# KiCad board MB1075.kicad_pcb (continued)
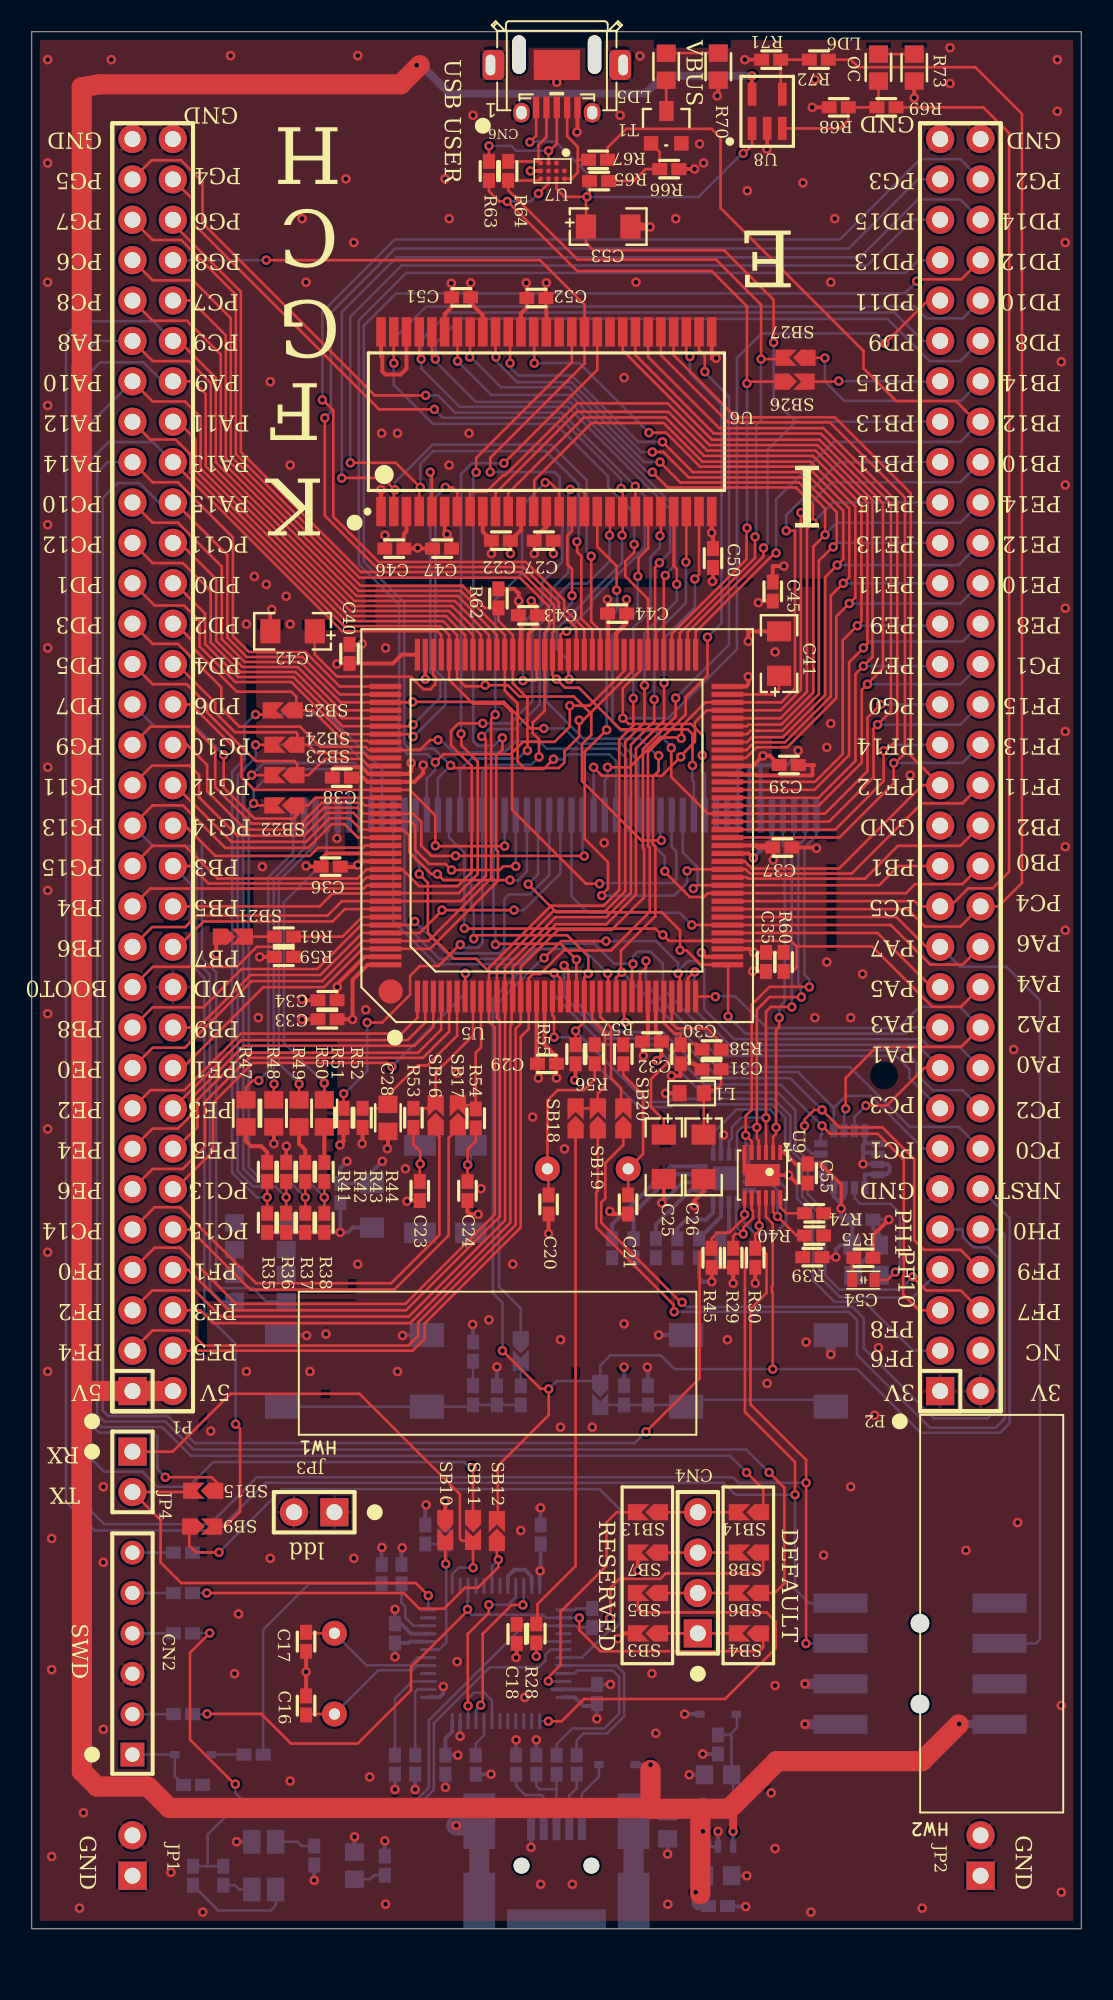
[diagram p0: board, top side]
## Routing (per net, layer and track width the routed paths; a pad name or vN(x,y) marks a point on that pad's centre or on a via; arc(x,y) is an arc through that point) (continued)
NetC26_1: length 12.1
  TOP w0.165: U5.33 40.25,56.93 40.55,56.63 42.48,56.63 43.35,55.76 R58.1 C31.2 43.35,53.09 43.02,52.76 42.26,52.76 L1.2 42.26,50 42.3,49.96 42.3,49.95 C26.1
NetC28_2: length 10.7
  TOP w0.165: 22.46,51.85 22.46,52.49 24.27,54.3 24.88,54.3 26.75,56.17 U5.6 ; 22.46,51.85 22.2,51.6 R52.1 ; 22.46,51.85 22.46,51.85 C28.2
NetC41_1: length 4.2
  TOP w0.165: U5.71 46.63,77.63 47,78 C41.1
NetC42_1: length 12
  TOP w0.165: U5.106 25.25,78.88 25.38,78.75 25.38,78.27 25.06,77.95 24.63,77.95 23.83,78.75 19.2,78.75 17.8,80.15 C42.1
NetC54_1: length 1.4
  TOP w0.21: C54.1 51.6,42.1 R75.2
NetCN1_2: length 3.2
  Bottom w0.165: CN1.2 33.8,8.38 34.27,8.85 R12.1
NetCN1_3: length 5.1
  Bottom w0.165: 33,8.78 31.94,8.78 31.73,8.98 R10.1 ; 33,8.78 CN1.3 ; 33,8.78 33,9.73 R11.1
NetCN1_4: length 4.3
  Bottom w0.165: R9.1 30.46,8.98 31.03,8.42 32.04,8.42 32.2,8.26 CN1.4
NetCN2_1: length 4.8
  Bottom w0.165: CN2.1 D1.1 9,9.6 R5.1
NetCN2_2: length 2.6
  Bottom w0.165: CN2.2 R14.1
NetCN2_4: length 2.6
  Bottom w0.165: CN2.4 R15.1
NetCN2_5: length 2.6
  Bottom w0.165: CN2.5 R17.1
NetCN2_6: length 2.6
  Bottom w0.165: CN2.6 R20.1
NetCN4_1: length 5.2
  TOP w0.165: 44.47,18.58 CN4.1 39.22,18.58
NetCN4_2: length 5.2
  TOP w0.165: 39.22,21.12 CN4.2 44.47,21.12
NetCN4_3: length 5.2
  TOP w0.165: 39.22,23.66 CN4.3 44.47,23.66
NetCN4_4: length 5.2
  TOP w0.165: 44.47,26.2 CN4.4 39.22,26.2
NetCN5_45: length 20.9
  TOP w0.165: v1(18.39,53.19) R50.2
  Bottom w0.165: CN5.45 18.54,67.25 15.86,64.56 15.86,55.72 18.38,53.19 v1(18.39,53.19) ; 18.65,70.87 18.65,70.04
NetCN5_46: length 20.2
  TOP w0.165: v1(16.81,53.13) R49.2
  Bottom w0.165: CN5.46 17.84,68.19 15.54,65.89 15.54,54.43 16.81,53.16 v1(16.81,53.13) ; 17.95,70.87 17.95,70.04
NetCN5_47: length 19.6
  TOP w0.165: R48.2 15.22,53.13 v1(15.24,53.13)
  Bottom w0.165: CN5.47 17.14,67.94 15.22,66.02 15.22,53.13 v1(15.24,53.13) ; 17.25,70.87 17.25,70.04
NetCN5_48: length 20.2
  TOP w0.165: v1(14.27,53.35) 13.9,53.35 13.47,52.92 R47.2
  Bottom w0.165: CN5.48 16.44,67.69 14.87,66.12 14.87,53.95 v1(14.27,53.35) ; 16.55,70.87 16.55,70.04
NetCN6_2: length 5.7
  TOP w0.165: 31.9,111.15 31.86,111.19 31.86,112.18 32.37,112.68 CN6.2 ; 31.9,111.15 U7.D1 ; 31.9,111.15 R64.2 ; 32.35,114.55 32.35,114.54
NetCN6_3: length 8.6
  TOP w0.165: 33,114.55 33,114.54 ; CN6.3 33.02,112.26 32.5,111.74 U7.C1 ; R63.2 28.75,112.12 v1(28.75,112.12)
  Bottom w0.165: v1(32.5,111.82) 30.47,111.82 30.17,112.12 v1(28.75,112.12)
NetCN6_4: length 6
  TOP w0.165: 34.34,111.25 34.34,110.46 33.93,110.05 U7.A3 ; 34.34,111.25 R67.2 ; 34.34,111.25 34.34,112.06 33.67,112.73 CN6.4 ; 33.65,114.55 33.65,114.54
NetD1_2: length 2.1
  Bottom w0.165: D1.2 R13.1
NetLD1_2: length 1.9
  Bottom w0.165: R2.2 12.78,2.74 13.05,2.48 LD1.2
NetLD1_3: length 7
  Bottom w0.165: LD1.3 15.33,1.46 15.03,1.16 11.72,1.16 R1.2
NetLD1_4: length 2.5
  Bottom w0.165: LD1.4 16.7,5.48 16.97,5.21 R3.1
NetLD2_1: length 2
  Bottom w0.165: LD2.1 21.28,3.13 21.53,3.38 R4.1
NetLD3_1: length 1.5
  Bottom w0.165: LD3.1 R26.2
NetLD4_1: length 1.5
  Bottom w0.165: LD4.1 R27.2
NetLD5_1: length 3.3
  TOP w0.165: LD5.1 39.9,117.96 R70.1
NetLD5_2: length 1.9
  TOP w0.165: LD5.2 39.9,114.32 T1.3
NetLD6_1: length 2.3
  TOP w0.165: 53.37,117.9 R73.1
  TOP w0.5: LD6.1 53.37,117.9
NetLD6_2: length 8.7
  TOP w0.165: U8.3 50.84,113.23 51.35,113.74 R68.1 R69.1 53.25,114.55 LD6.2
NetP2_51: length 8.6
  TOP w0.165: v1(50.75,97.33) 50.75,97.3 48.6,97.3
  Bottom w0.165: P2.51 57.13,97.3 54.61,97.3 54.58,97.33 v1(50.75,97.33)
NetP2_52: length 13.7
  TOP w0.165: 48.5,98.8 49.88,98.8 v1(49.88,98.78)
  Bottom w0.165: v1(49.88,98.78) 49.88,97.3 51.09,96.09 58.44,96.09 P2.52
NetR6_2: length 6.1
  Bottom w0.165: R6.2 22.84,14.49 23.91,15.56 U2.3
NetR7_2: length 4.9
  Bottom w0.165: R7.2 24.11,14.9 24.27,15.06 U2.2
NetR8_2: length 2.4
  Bottom w0.165: U2.44 28.44,12.17 27.92,11.65 R8.2
NetR23_1: length 1.6
  Bottom w0.165: 30.75,35.7 R23.1
NetR28_1: length 3.2
  TOP w0.165: R28.1 v1(31.73,17.14)
  Bottom w0.165: v1(31.73,17.14) 31.73,17.56 32.23,18.06 U2.29
NetR31_2: length 2.9
  Bottom w0.25: U4.7 43.35,44.79 R31.2
NetR32_1: length 4
  Bottom w0.25: R32.1 40.6,44.05 41.15,44.6 42.4,44.6 42.85,45.05 U4.8
NetR33_1: length 4.6
  Bottom w0.25: R33.1 39.25,44.29 41.42,46.45 U4.9
NetR34_1: length 6.9
  Bottom w0.25: R34.1 37.85,45 40.3,47.45 U4.11
NetR46_1: length 8
  Bottom w0.25: U4.12 40.16,47.95 36.5,44.29 R46.1
NetR61_1: length 2
  TOP w0.165: 13.28,62.4 R61.1
NetR65_1: length 5.4
  TOP w0.165: R65.1 37.85,109.92 38.6,110.67 R66.1 39.49,111.74 T1.1
NetR71_1: length 4.1
  TOP w0.165: R72.2 R71.1 47.1,115.38 U8.4
NetR74_2: length 2.3
  TOP w0.165: U9.12 47.07,45.38 47.45,45 R74.2
NRST: length 123.3
  TOP w0.165: v1(29.6,36.36) 32,33.96 32.5,33.96 ; U5.25 36.25,60.01 36.18,60.08 v1(36.22,60.08) ; 29.25,25.65 29.31,25.65 29.31,29.1 32.51,32.31 v1(32.51,33.95) ; U9.10 46.17,44.77 46.6,44.35 46.6,40.45 46.54,40.39 46.54,40.09 46.6,40.04 46.6,35.3 46.5,35.2 v1(46.6,35.2)
  Bottom w0.165: P2.12 61.5,44.69 61.5,31.8 60.9,31.2 55.9,31.2 51.9,35.2 v1(46.6,35.2) 40.42,35.2 39.56,36.06 36.38,36.06 35.75,35.43 35.75,34.45 ; 30.77,60.7 30.77,60.27 29,58.5 29,39.97 29.6,39.37 v1(29.6,36.36) ; 30.77,60.7 31.7,61.63 34.67,61.63 v1(36.22,60.08) ; 30.77,60.7 30.73,60.66 25.45,60.66 22.74,63.37 CN5.39 ; 35.75,34.45 35.75,34.05 ; 35.75,34.45 33.01,34.45 v1(32.51,33.95) ; 22.85,70.87 22.85,70.04
OSC_IN: length 9
  TOP w0.165: X1.2 17.25,13.51 C16.1
  Bottom w0.165: X1.2 21.79,16.26 23.94,16.26 24.23,16.56 U2.5
OSC_OUT: length 8.8
  TOP w0.165: X1.1 17.25,18.59 C17.1
  Bottom w0.165: X1.1 21.05,16.58 23.79,16.58 24.28,17.06 U2.6
PA0: length 61.2
  TOP w0.165: U5.34 40.75,60.08 v1(40.65,60.08) ; v1(36.12,62.11) 33.29,62.11 32.24,61.06 v1(32.22,61.06)
  Bottom w0.165: 30.75,36.8 30.75,39.01 29.39,40.38 29.39,58.3 32.14,61.06 v1(32.22,61.06) ; 40.65,60.24 41.27,60.86 41.79,60.86 42.29,60.36 42.29,57.83 44.18,55.95 55.95,55.95 56.4,55.5 58.31,55.5 P2.18 ; 40.65,60.24 v1(40.65,60.08) ; 40.65,60.24 40.65,60.72 39.26,62.11 v1(36.12,62.11)
PA1: length 28.6
  TOP w0.165: v1(52.45,51.77) 53.77,51.77 56.14,54.14 P2.17 ; v1(41.7,60.17) 41.65,60.17 41.25,59.77 U5.35
  Bottom w0.165: v1(52.45,51.77) 51.74,51.06 51.74,50.23 ; P2.17 55.67,55.6 43.88,55.6 41.66,57.82 41.66,60.17 v1(41.7,60.17)
PA2: length 33.3
  TOP w0.165: v1(42.99,58.62) 42.99,58.63 42.21,58.63 U5.36 ; v1(51.18,51.57) 51.18,53.51 53.14,55.46 58.45,55.46 P2.20
  Bottom w0.165: 51.09,50.23 51.09,51.63 51.18,51.73 v1(51.18,51.57) ; v1(42.99,58.62) 42.99,58.66 44.22,58.66 46.23,56.65 54.49,56.65 55.83,57.98 58.37,57.98 P2.20
PA4: length 45.6
  TOP w0.165: 48.09,61.78 47.74,62.13 40.07,62.13 v1(39.69,62.51) 39.62,62.51 39.22,62.9 27.22,62.9 v1(27.2,62.92) ; 48.09,61.78 52.85,61.78 56.65,57.98 58.43,57.98 P2.22 ; 48.09,61.78 48.1,61.77 48.1,60.48 47.83,60.21 R60.1
  Bottom w0.165: v1(27.2,62.92) 27.2,67.67 26.24,68.64 CN5.34 ; 26.35,70.87 26.35,70.04
PA5: length 14.8
  TOP w0.165: U5.41 53.18,62.63 56.59,59.22 P2.21
PA7: length 64.7
  TOP w0.165: U5.43 54.37,63.63 56.24,61.76 P2.23
  Bottom w0.165: P2.23 58.39,60.5 61.3,60.5 63.4,58.4 63.4,18.2 63.14,17.95 CN3.4
PA8: length 192.5
  TOP w0.165: 45.75,43.9 45.5,43.65 R30.1 45.85,42.8 46.21,42.44 46.21,39.99 45.2,38.98 45.2,32.99 48.7,29.49 v1(48.7,28.05) 48.7,17.96 v1(48.69,17.95) ; v1(45.75,44.22) 45.75,45.95 U9.9 ; U5.100 28.25,81.36 26.42,83.19 20.16,83.19 11.25,92.1 11.25,97.22 9.89,98.59 7.6,98.59 P1.53
  Bottom w0.165: v1(48.7,28.05) 44.45,28.05 44.1,28.4 14.15,28.4 11.2,25.45 4.55,25.45 2.55,27.45 2.55,98.3 4.11,99.86 P1.53 ; v1(45.75,44.22) 45.75,46.2 45.5,46.45 U4.4 ; v1(48.69,17.95) CN3.3
PA9: length 133.3
  TOP w0.165: 27.75,25.55 27.75,29 v1(27.7,29) ; U5.101 27.75,81.36 26.24,82.87 20.03,82.87 10.94,91.97 10.94,96.52 10.14,97.32 P1.52
  Bottom w0.165: P1.52 8.21,97.32 7.02,98.51 4.31,98.51 2.9,97.1 2.9,30.4 4.55,28.75 6.95,28.75 7.9,27.8 9.86,27.8 11.41,29.35 27.2,29.35 27.55,29 v1(27.7,29)
PA10: length 109.3
  TOP w0.165: 11.25,27.55 11.25,27.45 11.76,27.95 11.31,28.4 v1(8.4,28.4) ; P1.51 7.6,96.05 9.63,96.05 10.62,95.06 10.62,91.84 19.9,82.56 26.06,82.56 27.25,81.36 U5.102
  Bottom w0.165: P1.51 3.25,94.24 3.25,32.2 4.25,31.2 7.65,31.2 7.9,30.95 7.9,28.9 v1(8.4,28.4)
PA11: length 50.2
  TOP w0.165: v1(39.6,68.45) 38.33,68.45 34.6,72.18 34.6,74.5 35.18,75.08 35.18,76.4 34.08,77.5 30.66,77.5 29.94,78.21 v1(28.52,78.21) 28.45,78.14 27.26,78.14 26.75,78.65 U5.103 26.75,81.36 25.87,82.24 19.78,82.24 10.31,91.71 10.31,93.67 9.2,94.78 P1.50
  Bottom w0.165: v1(39.6,68.45) 39.54,68.51 CN5.15 ; 39.65,70.87 39.65,70.04
PA12: length 57.3
  TOP w0.165: v1(35.71,65.73) 34.85,65.73 30.21,70.37 30.21,76.5 29.67,77.04 27.75,77.04 26.25,78.54 26.25,81.36 25.69,81.92 19.65,81.92 9.99,91.58 9.99,92.7 9.04,93.66 7.45,93.66 P1.49
  Bottom w0.165: CN5.14 40.24,68.04 40.53,67.75 40.53,66 40.3,65.77 35.71,65.77 v1(35.71,65.73) ; 40.35,70.87 40.35,70.04
PA13: length 134.8
  TOP w0.165: 45.57,26.2 46,26.64 46,27.65 v1(44.95,28.7) ; P1.48 8.88,92.24 19.52,81.6 25.51,81.6 25.75,81.36 U5.105
  Bottom w0.165: v1(44.95,28.7) 43.9,29.75 10,29.75 8.2,31.55 4.4,31.55 3.64,32.31 3.64,92.31 4.83,93.5 7.61,93.5 P1.48
PA14: length 140.3
  TOP w0.165: P1.47 7.6,90.97 9.19,90.97 12.65,87.51 12.65,81.3 13.65,80.3 17.2,80.3 19.37,78.13 U5.109 ; 45.57,21.12 46.72,21.12 47.33,21.73 47.33,27.74 v1(46.37,28.7)
  Bottom w0.165: P1.47 4.78,92.24 4.11,91.57 4.11,32.34 4.55,31.9 8.4,31.9 10.15,30.15 44.92,30.15 v1(46.37,28.7)
PA15: length 146
  TOP w0.165: U5.110 19.37,77.63 17.02,79.98 13.52,79.98 12.3,81.2 12.3,86.4 9,89.7 P1.46 ; U9.7 44.82,44.73 43.87,43.78 43.12,43.78 42.76,43.41 R45.1 42.29,42.8 42,42.51 42,34.62 v1(38.63,31.25)
  Bottom w0.165: v1(38.63,31.25) 37.93,30.55 10.25,30.55 8.55,32.25 4.8,32.25 4.46,32.59 4.46,89.98 5.4,90.92 6.77,90.92 7.99,89.7 P1.46 ; U4.2 46.55,47.45 47.43,46.57 47.43,44.42 46.7,43.69 45.53,43.69 44.83,44.39 v1(44.83,44.93)
PB0: length 26.1
  TOP w0.165: P2.28 58.53,65.7 55.55,65.7 54.98,65.13 42.52,65.13 42.28,64.89 41.39,64.89 39.81,66.47 v1(39.81,66.51)
  Bottom w0.165: v1(39.81,66.51) 39.81,67.43 38.84,68.4 CN5.16 ; 38.95,70.87 38.95,70.04
PB1: length 22.1
  TOP w0.165: v1(41.61,65.42) 41.61,65.42 41.82,65.63 53.29,65.63 54.5,66.84 P2.27
  Bottom w0.165: 41.05,70.87 41.05,70.04 ; CN5.13 40.94,67.69 41.88,66.76 41.88,65.69 41.61,65.42 v1(41.61,65.42)
PB2: length 17.3
  TOP w0.165: U5.48 44.96,66.13 45.04,66.05 52.41,66.05 54.47,68.11 58.4,68.11 P2.30
PB3: length 58.5
  TOP w0.165: U5.133 21.07,66.13 20.67,65.74 11.12,65.74 10.01,66.84 P1.28 ; v1(12.82,31.74) 13.1,31.45 13.1,26.25 12.15,25.3 11.35,25.3
  Bottom w0.165: P1.28 10.01,65.7 10.01,60.64 10.85,59.8 10.85,38.75 12.82,36.78 v1(12.82,31.74)
PB4: length 16.5
  TOP w0.165: U5.134 21.08,65.63 20.87,65.42 7.45,65.42 P1.25
PB5: length 59.3
  TOP w0.165: P1.26 18.1,64.3 18.91,65.11 21.03,65.11 21.05,65.13 U5.135 26.85,65.13 28.05,66.33 28.05,73.4 27.02,74.43 27.02,75.15 v1(27,75.15) ; U6.37 35.57,98.04 v1(29.69,92.17)
  Bottom w0.165: v1(29.69,92.17) 27.68,92.17 27,91.49 v1(27,75.15)
PB6: length 52.2
  TOP w0.165: v1(28.3,74.99) 28.36,74.99 28.55,74.79 28.55,66.21 26.98,64.63 U5.136 19.51,64.63 18.6,63.72 10.37,63.72 9.65,63 7.57,63 P1.23 ; U6.19 36.36,87.6 36.33,87.57 v1(36.33,87.64)
  Bottom w0.165: v1(28.3,74.99) 28.3,74.99 28.76,75.45 30.39,75.45 31.94,77 31.94,82.03 33.08,83.18 33.08,83.86 33.83,84.6 34.94,84.6 36.33,86 v1(36.33,87.64)
PB7: length 14.4
  TOP w0.165: P1.24 9.21,61.76 10.8,63.35 18.91,63.35 19.69,64.13 U5.137
PB12: length 62.5
  TOP w0.165: v1(46.81,86.53) 46.73,86.53 41.75,81.55 U5.73 ; R67.1 36.21,112.02 37.39,113.2 42.74,113.2 43.32,112.63 43.32,108.22 52.31,99.23 52.31,98.14 54.37,96.08 58.11,96.08 59.54,94.65 P2.50
  Bottom w0.165: v1(46.81,86.53) 46.81,89.9 50.42,93.51 58.4,93.51 P2.50
PB13: length 76.2
  TOP w0.165: 34.91,108.93 v1(34.92,108.92) 35.08,108.92 R65.2 ; 34.91,108.93 34.85,108.98 C53.1 34.85,106.03 35.32,105.56 43.54,105.56 46.66,102.44 v1(46.66,99.76) ; 34.91,108.93 33.49,108.93 33,109.41 U7.B3 ; v1(44.75,111.66) 44.8,111.66 45.3,112.16 U8.1 ; v1(46.02,86.84) 46.02,86.3 41.25,81.54 U5.74 ; v1(31.32,112.36) 31.72,112.76 CN6.1 ; 31.7,114.55 31.7,114.54
  Bottom w0.165: 48.05,94.78 P2.49 ; 48.05,94.78 48.03,94.78 46.66,96.16 v1(46.66,99.76) ; 48.05,94.78 46.28,93.01 46.28,87.1 v1(46.02,86.84) ; v1(31.32,112.36) 31.33,112.37 31.3,112.4 32.94,112.4 34.92,110.42 v1(34.92,108.92) 41.94,108.92 44.68,111.66 v1(44.75,111.66)
PB14: length 47.3
  TOP w0.165: 47.4,98.8 47.32,98.72 v1(45.87,98.72) 45.87,102.13 43.03,104.97 34.33,104.97 29.96,109.34 R64.1 31.9,109.95 U7.D3 ; v1(45.49,87.54) 45.48,87.54 45.48,86.22 40.75,81.48 U5.75
  Bottom w0.165: v1(45.49,87.54) 45.5,87.54 45.56,87.6 45.56,94.56 45.86,94.86 45.86,98.72 v1(45.87,98.72)
PB15: length 49.9
  TOP w0.165: 44.97,97.3 44.97,102.05 42.76,104.26 34.29,104.26 29.92,108.63 v1(29.9,108.63) 29.4,108.63 28.75,109.28 R63.1 ; 44.97,97.3 47.5,97.3 ; 44.97,97.3 v1(44.97,97.18) ; U5.76 40.25,81.43 44.95,86.13 44.95,88.19 44.98,88.22 v1(44.98,88.09) ; U7.C3 32.5,109.77 v1(31.86,109.13)
  Bottom w0.165: v1(31.86,109.13) 31.37,108.63 v1(29.9,108.63) ; v1(44.97,97.18) 44.98,97.18 v1(44.98,88.09)
PC0: length 65
  TOP w0.165: U6.16 33.98,89.13 33.98,87.91 33.67,87.61 33.67,85.82 33.98,85.52 v1(33.98,83.85) ; v1(39.42,73.78) 39.42,72.81 39.07,72.45 39.07,68.23 39.22,68.08 39.22,63.69 37.05,61.52 37.05,60.11 ; 37.05,60.11 36.75,59.81 U5.26 ; 37.05,60.11 37.1,60.16 v1(37.1,60.16)
  Bottom w0.165: P2.14 58.3,50.43 55.22,50.43 51.45,54.2 43.1,54.2 37.14,60.16 v1(37.1,60.16) ; v1(33.98,83.85) 33.98,83.41 32.36,81.8 32.36,77.18 34.7,74.84 36.18,74.84 36.18,74.84 38.28,74.84 39.34,73.78 v1(39.42,73.78)
PC1: length 26.8
  TOP w0.165: v1(37.33,57.01) 37.25,57.01 U5.27
  Bottom w0.165: P2.13 56.07,49.06 52.75,52.38 51.19,52.38 50.44,51.63 ; v1(37.33,57.01) 39.7,57.01 42.82,53.88 48.19,53.88 50.44,51.63 ; 50.44,51.63 50.44,50.23
PC2: length 53.8
  TOP w0.165: v1(37.81,60.68) 37.75,60.62 U5.28
  Bottom w0.165: 37.81,60.7 36.63,60.7 35.38,61.95 31.3,61.95 30.35,61 25.64,61 23.44,63.19 CN5.38 ; 37.81,60.7 37.81,61.17 38.11,61.46 38.92,61.46 39.69,60.69 39.69,59.11 43.55,55.25 54.85,55.25 55.65,54.45 55.65,53.76 56.67,52.73 58.54,52.73 P2.16 ; 37.81,60.7 v1(37.81,60.68) ; 23.55,70.87 23.55,70.04
PC3: length 25.9
  TOP w0.165: U5.29 38.25,60.07 38.63,60.45 v1(38.63,60.87)
  Bottom w0.165: P2.15 57.08,51.6 57.08,51.61 55.2,53.5 55.2,54.05 54.35,54.9 43.1,54.9 38.63,59.37 v1(38.63,60.87)
PC4: length 82.1
  TOP w0.165: R72.1 51.51,117.55 51.99,117.07 59.34,117.07 62.27,114.14 62.27,65.78 60.8,64.3 P2.26 58.4,63.03 56.18,63.03 55.08,64.13 U5.44
PC5: length 73
  TOP w0.165: U5.45 55.54,64.63 55.87,64.3 P2.25 57.19,64.36 57.82,64.36 58.89,65.43 60.43,65.43 61.47,66.48 61.47,112.93 59.84,114.55 R69.2
PC6: length 54.5
  TOP w0.165: v1(31.17,74.1) 31.17,77.39 30.25,78.32 30.25,81.36 29.35,82.26 R62.1 28.49,83.07 27.1,84.46 20.67,84.46 12.52,92.62 12.52,101.29 10.14,103.67 7.6,103.67 P1.57
  Bottom w0.165: v1(31.17,74.1) 31.1,74.1 30.6,73.6 27.65,73.6 26.94,72.89 CN5.33
PC8: length 36.8
  TOP w0.165: U5.98 29.25,81.36 26.79,83.82 20.42,83.82 11.89,92.36 11.89,99 9.76,101.13 7.6,101.13 P1.55
PC9: length 194
  TOP w0.165: v1(48,27.3) 48,29.36 44.85,32.51 44.85,42.53 44.58,42.8 R29.1 44.11,43.57 44.24,43.7 v1(44.75,43.7) 44.75,44.09 45.36,44.7 45.36,45.15 45.27,45.23 U9.8 ; P1.54 8.87,99.9 8.9,99.9 9.06,100.06 11.57,97.54 11.57,92.23 20.29,83.51 26.6,83.51 28.75,81.36 U5.99
  Bottom w0.165: CN3.1 48.89,20.49 48,21.37 v1(48,27.3) 44.25,27.3 43.5,28.05 14.7,28.05 11.7,25.05 3.95,25.05 2.15,26.85 2.15,100.2 3.05,101.1 7.63,101.1 P1.54 ; 44.29,45.64 U4.5 44.35,45.2 44.29,45.15 44.29,44.15 v1(44.75,43.7)
PC10: length 44.7
  TOP w0.165: P1.45 7.6,88.43 9.19,88.43 11.95,85.67 11.95,81.1 13.38,79.67 16.89,79.67 19.43,77.13 U5.111 23.95,77.13 v1(23.95,77.16) 29.7,77.16 31.37,75.49 v1(32.2,75.49)
  Bottom w0.165: CN5.17 38.14,73.45 37.06,74.53 36.31,74.53 36.31,74.53 34.46,74.53 33.49,75.49 v1(32.2,75.49)
PC11: length 20
  TOP w0.165: U5.112 19.45,76.63 16.72,79.35 13.25,79.35 11.6,81 11.6,84.87 9.31,87.16 P1.44
PC12: length 22.4
  TOP w0.165: P1.43 7.6,85.89 9.51,85.89 11.25,84.15 11.25,80.9 12.85,79.3 12.85,79.3 13.11,79.04 16.59,79.04 19.5,76.13 U5.113
PC13: length 28.2
  TOP w0.165: U5.7 27.25,60.09 v1(27.27,60.09) ; v1(22.65,54.23) 22.41,54.46 13.91,54.46 11.4,51.95 11.4,48.9 9.02,46.52 P1.12
  Bottom w0.165: v1(22.65,54.23) 27.27,58.85 v1(27.27,60.09)
PC14: length 30.3
  TOP w0.165: 25.4,50.7 25.4,50.03 25.63,49.8 25.63,43.63 22.6,40.6 14.1,40.6 9.32,45.38 7.73,45.38 P1.9
PC14-OSC32_IN: length 9.4
  TOP w0.165: U5.8 27.75,56.18 25.4,53.83 25.4,51.6 R53.1
PC15: length 27.7
  TOP w0.165: 26.8,50.7 26.8,50.32 26.22,49.74 26.22,43.62 22.8,40.2 13.74,40.2 9.96,43.98 8.9,43.98 8.9,43.95 P1.10
PC15-OSC32_OUT: length 8.6
  TOP w0.165: 26.8,51.8 28,51.8 R54.1 27.92,55.1 28.25,55.43 U5.9
PD2: length 17.8
  TOP w0.165: 16.65,76.63 SB25.1 16.64,77.48 16.32,77.8 12.9,77.8 10.15,80.55 10.15,80.95 9.02,82.08 P1.40 ; 16.65,76.63 17.66,76.63 19.58,74.71 21.1,74.71 21.19,74.63 U5.116 ; 16.65,76.63 16.65,76.37 16.36,76.37
PD4: length 16.9
  TOP w0.165: 16.7,74.46 16.7,75.15 16.6,75.25 12.78,75.25 11.54,76.49 11.54,77.11 9.11,79.54 P1.38 ; 16.7,74.46 16.36,74.46 ; 16.7,74.46 17.38,74.46 17.89,73.95 20.87,73.95 21.19,73.63 U5.118
PD5: length 20.5
  TOP w0.165: U5.119 21.19,73.13 20.75,73.57 18.42,73.57 17.41,72.56 16.7,72.56 ; 16.7,72.56 16.7,73.25 16.51,73.44 14.08,73.44 11.03,76.49 11.03,77 9.76,78.27 7.6,78.27 P1.37 ; 16.7,72.56 16.36,72.56
PD7: length 21.9
  TOP w0.165: 16.6,69.95 16.47,69.82 14.02,69.82 12.07,71.77 v1(12.07,73.83) ; 16.6,69.95 16.74,70.09 SB22.1 17.38,70.65 17.86,71.13 U5.123 ; 16.6,69.95 16.6,70.65 16.36,70.65
  Bottom w0.165: P1.35 7.73,75.6 10.29,75.6 v1(12.07,73.83)
PD11: length 57.1
  TOP w0.165: P2.55 56.35,102.4 v1(53.66,99.7) ; v1(42.17,73.8) 42.17,75.07 41.47,75.77 37.53,75.77 v1(37.17,76.14) 37.17,78.02 38.25,79.1 U5.80
  Bottom w0.165: v1(53.66,99.7) 53.03,100.33 45.9,100.33 44.35,98.78 44.35,80.46 40.02,76.14 v1(37.17,76.14) ; v1(42.17,73.8) 42.19,73.78 42.19,72.77 42.34,72.62 CN5.11
PD12: length 90.9
  TOP w0.165: v1(26.34,73.17) 26.5,73 33.15,73 33.5,73.35 33.5,74.05 34.42,74.97 v1(34.42,76) 34.67,76 37.75,79.08 U5.81 ; P2.58 58.46,103.73 55.77,103.73 v1(55.65,103.62)
  Bottom w0.165: CN5.35 25.54,72.37 v1(26.34,73.17) 25.28,74.22 24.78,74.22 24.75,74.18 23.76,74.18 23.42,74.53 23.42,83.42 20.88,85.96 20.88,100.82 22.91,102.85 54.9,102.85 55.65,103.6 v1(55.65,103.62)
PD13: length 88.2
  TOP w0.165: v1(25.38,73.37) 25.88,73.87 30.12,73.87 30.9,74.65 32.88,74.65 33.83,75.6 v1(33.83,76.92) 35.07,76.92 37.25,79.1 U5.82
  Bottom w0.165: CN5.36 24.84,72.34 25.38,72.88 v1(25.38,73.37) 24.88,73.87 23.63,73.87 23.1,74.4 23.1,83.29 20.57,85.82 20.57,101.15 23.55,104.13 54.94,104.13 55.74,104.94 P2.57
PE0: length 56.2
  TOP w0.165: v1(32.29,90.95) 32.6,90.95 33.17,90.39 U6.15 ; P1.17 7.6,55.41 9.63,55.41 13.82,59.6 18.27,59.6 20.8,62.13 U5.141 24.95,62.13 28.94,66.12 28.89,66.16 28.89,76.11 v1(29.15,76.36)
  Bottom w0.165: v1(29.15,76.36) 29.15,83.59 30.84,85.28 30.84,89.5 v1(32.29,90.95)
PE1: length 65
  TOP w0.165: P1.18 9.48,54.14 14.56,59.22 18.39,59.22 20.8,61.63 U5.142 25.04,61.63 29.32,65.9 29.32,67.76 29.21,67.87 29.21,73.77 29.6,74.16 v1(29.6,74.9) ; U6.39 33.97,98.52 27.95,92.5 v1(27.95,91.6)
  Bottom w0.165: v1(27.95,91.6) 27.76,91.42 27.76,74.69 28.05,74.4 29.05,74.4 29.55,74.9 v1(29.6,74.9)
PE2: length 21.6
  TOP w0.165: P1.15 7.47,52.74 9.59,52.74 13.14,56.3 23.25,56.3 24.25,57.3 U5.1
PE3: length 19.7
  TOP w0.165: P1.16 8.89,51.6 13.18,55.89 23.63,55.89 24.75,57 U5.2
PE4: length 24.6
  TOP w0.165: U5.3 25.25,56.71 24.08,55.54 13.34,55.54 10.03,52.23 10.03,51.18 9.19,50.33 7.6,50.33 P1.13
PE5: length 23.1
  TOP w0.165: U5.4 25.75,56.55 24.29,55.09 13.38,55.09 10.41,52.12 10.41,50.41 9.06,49.06 P1.14
PE6: length 27.9
  TOP w0.165: U5.5 26.25,56.43 24.6,54.78 13.66,54.78 10.9,52.02 10.9,49.2 9.49,47.79 7.6,47.79 P1.11
PF6: length 40.1
  TOP w0.165: v1(32.85,56.07) 32.85,57.34 32.75,57.44 U5.18
  Bottom w0.165: P2.3 55.44,36.36 52.37,39.43 50.48,39.43 49.13,40.79 49.13,44.93 48.13,45.92 48.13,48.13 47.39,48.87 47.39,51.01 46.55,51.85 40.37,51.85 40.21,51.69 38.16,51.69 33.77,56.07 v1(32.85,56.07)
PF7: length 62.1
  TOP w0.165: v1(24.36,66.33) 24.91,65.79 24.91,62.64 26.54,61.01 27.94,61.01 28.83,60.12 v1(32.85,60.12) 32.85,60.15 33.25,59.75 U5.19 ; v1(55.4,41) 56.25,40.15 58.42,40.15 P2.6
  Bottom w0.165: 49.06,48.1 48.8,47.84 48.8,46.2 49.9,45.1 49.9,41.1 50.8,40.2 54.6,40.2 v1(55.4,41) ; 49.06,48.1 48.02,49.13 48.02,51.48 46.9,52.6 42.1,52.6 39.09,55.61 35.94,55.61 32.85,58.7 v1(32.85,60.12) ; 49.06,48.1 49.61,48.1 ; v1(24.36,66.33) 24.36,66.99 24.14,67.21 CN5.37 ; 24.25,70.87 24.25,70.04
PF8: length 42
  TOP w0.165: v1(49.7,50.5) 50.2,50 53.2,50 54.84,48.36 54.84,41.08 54.8,41.04 54.8,39.9 55.8,38.9 P2.5 ; U5.20 33.75,60.31 v1(33.48,60.58)
  Bottom w0.165: v1(33.48,60.58) 33.48,58.62 36.1,56 39.4,56 42.3,53.1 47.1,53.1 v1(49.7,50.5) 49.7,49.99 49.61,49.9 49.61,49.4
PF9: length 59.2
  TOP w0.165: U5.21 v1(34.25,60.95) 33.26,61.95 29.16,61.95 v1(29.16,61.9) ; P2.8 58.41,42.7 56.1,42.7 55.5,43.3 55.5,48.4 53.5,50.4 50.8,50.4 v1(49.7,51.5) 49.2,51.5 48.6,50.9 v1(48.6,50.5)
  Bottom w0.165: 29.15,70.87 29.16,70.87 29.16,70.04 ; v1(48.6,50.5) 48.6,49.2 49.05,48.75 49.61,48.75 ; v1(29.16,61.9) 29.16,62.91 29.04,63.03 CN5.30 ; v1(34.25,60.95) 34.25,58.3 36.15,56.4 39.69,56.4 42.59,53.5 47.7,53.5 v1(49.7,51.5)
PF10: length 58.7
  TOP w0.165: v1(27.79,62.27) 28.01,62.49 33.67,62.49 35,61.16 v1(35,60.08) 34.75,59.83 U5.22 34.75,57.03 34.2,56.48 v1(34.2,56.47) R55.1
  Bottom w0.165: 35.3,55.37 v1(34.2,56.47) 38.66,52.01 40.08,52.01 40.27,52.2 46.65,52.2 47.71,51.14 47.71,49 48.45,48.26 48.45,46.05 49.5,45 49.5,41.06 50.81,39.75 52.5,39.75 52.55,39.7 55.39,39.7 P2.7 ; CN5.32 27.64,64.36 27.79,64.21 v1(27.79,62.27)
PF11: length 54
  TOP w0.165: v1(35.84,64.98) 35.84,65.02 36.24,65.42 36.24,67.09 34.77,68.55 34.77,74.02 v1(36.15,75.4) ; v1(41.21,66.53) 41.21,66.63 U5.49 44.9,66.63 45.17,66.36 51.57,66.36 55.98,70.78 58.53,70.78 P2.32 ; v1(36.78,84.18) 36.78,85.7 35.57,86.92 U6.18
  Bottom w0.165: v1(36.15,75.4) 36.15,82.25 36.81,82.9 36.81,84 36.98,84.18 v1(36.78,84.18) ; v1(35.84,64.98) 40.41,64.98 41.21,65.78 v1(41.21,66.53)
PG2: length 79.7
  TOP w0.165: v1(18.28,96.15) 18.3,96.15 18.96,95.49 18.96,88.81 21.81,85.95 31.08,85.95 33.48,83.56 33.48,83.03 34.75,81.76 U5.87
  Bottom w0.165: P2.62 58.4,111.29 55.87,111.29 50.82,106.24 22.83,106.24 18.28,101.69 v1(18.28,96.15)
PG3: length 75.4
  TOP w0.165: U5.88 34.25,81.81 33.16,82.9 33.16,83.41 30.93,85.64 21.66,85.64 18.43,88.87 v1(18.43,95.02)
  Bottom w0.165: v1(18.43,95.02) 18.81,95.4 18.81,101.63 22.85,105.67 51.37,105.67 55.72,110.02 P2.61
PG4: length 53.2
  TOP w0.165: P1.62 10.09,108.8 10.09,107.31 21.84,95.56 v1(25.32,95.56) ; v1(37.06,90.59) 37.17,90.59 U6.20 37.17,87.64 v1(37.13,87.64) ; v1(33.79,78.59) 33.75,78.59 U5.89
  Bottom w0.165: v1(37.06,90.59) 37.06,91.16 33.19,95.03 25.84,95.03 v1(25.32,95.56) ; v1(37.13,87.64) 37.13,85.91 34.91,83.69 34.91,83.63 33.01,81.73 33.01,80.5 33.79,79.72 v1(33.79,78.59)
PG5: length 56.9
  TOP w0.165: U6.21 37.97,90.72 v1(37.95,90.72) ; v1(24.77,96.43) 21.57,96.43 10.74,107.26 10.74,109.86 9.38,111.22 7.53,111.22 P1.61 ; U5.90 33.25,81.38 33.48,81.6 v1(33.64,81.6)
  Bottom w0.165: v1(24.77,96.43) 25.54,96.43 26.63,95.35 33.32,95.35 v1(37.95,90.72) 38.56,90.11 38.56,86.86 35.22,83.53 35.22,83.2 33.64,81.61 v1(33.64,81.6)
PG6: length 60
  TOP w0.165: P1.60 8.87,107.23 13.15,102.95 13.15,92.88 20.7,85.32 30.8,85.32 32.84,83.28 32.84,81.6 32.75,81.51 32.75,78.84 v1(33,78.59) 33.54,78.05 34.41,78.05 37.03,75.43 41.25,75.43 41.55,75.13 v1(41.55,73.16)
  Bottom w0.165: v1(41.55,73.16) 41.54,73.15 41.54,72.22 41.64,72.12 CN5.12
PG7: length 83.2
  TOP w0.165: v1(21.09,57) 22.05,57 23.79,58.74 23.79,59.94 24.41,60.55 25.57,60.55 26.92,61.9 v1(26.95,61.9) ; v1(19.62,52.52) 19.6,52.52 R51.1 ; P1.59 7.6,106.21 9.39,106.21 12.83,102.77 12.83,92.75 20.61,84.97 30.7,84.97 32.52,83.15 32.52,81.76 32.25,81.49 U5.92 32.25,76.6 31.5,75.85 31.5,75.2 31.9,74.8 v1(31.9,73.7)
  Bottom w0.165: v1(19.62,52.52) 19.67,52.52 21.09,53.94 v1(21.09,57) ; v1(31.9,73.7) 31.4,73.2 28.75,73.2 28.34,72.79 CN5.31 28.34,61.98 28.07,61.7 27.14,61.7 v1(26.95,61.9)
PG8: length 60.9
  TOP w0.165: U5.93 31.75,78.61 31.64,78.5 v1(30.89,78.5) ; v1(28.83,91.61) 28.83,92.5 34.77,98.44 U6.38 34.77,102.14 31.96,104.94 v1(14.74,104.94)
  Bottom w0.165: P1.58 v1(14.74,104.94) ; v1(30.89,78.5) 30.89,82.09 32.1,83.3 32.1,84.7 33.36,85.95 33.36,88.21 33.2,88.36 33.2,91.3 32.89,91.61 v1(28.83,91.61)
PG9: length 21
  TOP w0.165: U5.124 22.23,70.65 20.93,70.65 20.76,70.81 18.43,70.81 18.24,70.81 16.93,69.51 13.82,69.51 11.54,71.79 11.54,74.21 10.14,75.6 7.47,75.6 P1.33
PG13: length 52.9
  TOP w0.165: P1.29 7.6,70.65 9.51,70.65 12.17,67.98 17.38,67.98 18.87,69.47 19.67,69.47 20.51,68.63 U5.128
  Bottom w0.165: R26.1 11.95,39.45 11.2,40.2 11.2,60 10.35,60.85 10.35,67.65 9.9,68.1 7.61,68.1 P1.29
PG14: length 49.7
  TOP w0.165: P1.30 9.63,69.38 11.54,67.48 17.49,67.48 18,67.99 20.84,67.99 20.98,68.13 U5.129
  Bottom w0.165: R27.1 14.75,39.45 13.9,40.3 11.85,40.3 11.6,40.55 11.6,60.15 10.7,61.05 10.7,68.3 9.62,69.38 P1.30
PG15: length 55.5
  TOP w0.165: P1.27 7.6,68.11 9.63,68.11 11.69,66.05 20.48,66.05 21.05,66.63 U5.132 23.3,66.63 24.36,65.57 26.78,65.57 27.67,66.46 27.67,73.13 26.36,74.43 26.36,75.33 26.84,75.81 v1(28.36,75.81) ; U6.17 34.77,90.29 34.53,90.53 v1(33.87,90.53)
  Bottom w0.165: v1(33.87,90.53) 33.75,90.4 33.75,85.3 32.64,84.2 32.64,83.27 31.47,82.1 31.47,77.2 30.08,75.81 v1(28.36,75.81)
PH0: length 52.4
  TOP w0.165: v1(40.4,38.8) 40.37,38.83 40.37,39.24 35.5,44.11 35.5,46.3 35.6,46.4 SB19.1 ; 35.49,50.11 35.49,50.5 35.6,50.5
  Bottom w0.165: P2.10 60.86,43.98 61.18,43.66 61.18,32.08 60.62,31.52 56.48,31.52 51.9,36.1 51.9,38.27 51.37,38.8 v1(40.4,38.8)
PH0-OSC_IN: length 9.6
  TOP w0.165: 36.05,55.6 36.05,53 35.6,52.55 35.6,51.6 34.2,51.6 ; 36.05,55.6 R56.1 ; 36.05,55.6 36.05,56.33 35.25,57.13 U5.23
PH1: length 52.3
  TOP w0.165: 37.2,50.5 37.27,50.5 37.27,50.11 ; v1(40.9,39.4) 40.82,39.4 35.81,44.41 35.81,45.68 36.07,45.94 36.07,48.17 37.2,49.3 SB20.1
  Bottom w0.165: v1(40.9,39.4) 41.18,39.12 51.61,39.12 52.32,38.4 52.32,36.52 56.74,32.1 60.1,32.1 60.79,32.79 60.79,42.2 60.13,42.86 59.21,42.86 58.55,43.52 58.55,43.94 58.5,43.98 P2.9
PH1-OSC_OUT: length 8.4
  TOP w0.165: 36.43,55.6 R57.1 ; 36.43,55.6 36.43,53.51 37.06,52.87 37.06,51.74 37.2,51.6 ; 36.43,55.6 36.43,56.68 35.75,57.36 U5.24
STLINK_RX: length 32.4
  TOP w0.165: JP4.1 8.86,30.01 12.5,33.65 20.61,33.65 26.93,27.33 26.93,24.53 27.05,24.41 27.75,24.41 ; v1(27.76,22.71) 27.75,22.71 27.75,24.41 ; 27.75,24.45 27.75,24.41
  Bottom w0.165: v1(27.76,22.71) 26.85,22.71 26.44,22.3 U2.13
STLINK_TX: length 27.6
  TOP w0.165: v1(24.94,20.96) 24.15,21.74 9.4,21.74 8.1,23.04 8.1,25.7 JP4.2 10.07,27.47 10.15,27.55
  Bottom w0.165: U2.12 24.94,20.96 v1(24.94,20.96)
STM_JTCK: length 28.5
  TOP w0.165: 38.11,21.12 38.11,20.06 38.28,19.9 46.21,19.9 46.78,19.33 46.78,17.63 43.6,14.45 34.72,14.45 33.32,13.05 v1(32.49,13.05)
  Bottom w0.165: v1(32.49,13.05) 32.49,13.06 U2.37
STM_JTMS: length 14.7
  TOP w0.165: v1(32.49,15.58) 32.49,15.83 33.25,16.59 33.25,19.94 36.14,22.83 36.14,25.56 36.79,26.2 38.11,26.2
  Bottom w0.165: U2.34 32.67,15.56 32.49,15.56 v1(32.49,15.58)
STM_RST: length 13.1
  TOP w0.165: 26,24.45 26,22.95 v1(26.03,22.95)
  Bottom w0.165: U2.7 25.62,17.56 26.06,18.01 26.06,24.28 26.02,24.33 26.03,24.33 v1(26.03,22.95) 26,22.98 C9.2 R21.1
SWIM: length 10.7
  TOP w0.165: v1(28.23,14.06) 28.36,14.06 28.36,18.55 30.18,20.37 v1(30.88,20.37)
  Bottom w0.165: U2.22 30.94,20.43 v1(30.88,20.37) ; U2.45 27.94,13.77 28.37,14.2 28.37,14.06 v1(28.23,14.06)
SWIM_IN: length 14.1
  TOP w0.165: v1(28.75,20.38) 28.75,19.87 27.42,18.55 27.42,14.02 v1(27.44,14.02)
  Bottom w0.165: 27.44,14.02 U2.46 ; 27.44,14.02 v1(27.44,14.02) ; 27.44,14.02 27.44,14.49 27.8,14.85 28.46,14.85 28.94,14.37 U2.43 ; U2.21 30.44,20.87 29.94,20.38 v1(28.75,20.38)
T_JTCK: length 45.5
  TOP w0.165: v1(11.02,13.52) 14.43,13.52 16.3,11.65 20.5,11.65 23.85,15 23.85,16.45 27.41,20.01 v1(27.41,20.09) ; v1(34.44,19.55) 34.44,18.78 35.76,17.46 45.76,17.46 46,17.7 46,18.15 45.57,18.58
  Bottom w0.165: R14.2 11.02,13.5 v1(11.02,13.52) ; U2.15 27.44,20.63 27.41,20.6 v1(27.41,20.09) 27.3,20.09 27.33,20.06 27.34,20.06 27.64,19.75 32.14,19.75 32.33,19.56 U2.26 34.44,19.56 v1(34.44,19.55)
T_JTMS: length 57.4
  TOP w0.165: v1(11.19,18.6) 9.95,17.36 9.95,11.9 12.75,9.1 v1(12.8,9.1) ; v1(36.34,19.54) 36.34,19.47 36.4,19.52 36.4,21.46 36.95,22.01 39.53,22.01 39.87,22.35 45.8,22.35 46,22.55 46,23.23 45.57,23.66
  Bottom w0.165: v1(36.34,19.54) 35.75,18.95 R16.2 34.34,18.95 34.23,19.06 U2.27 30.92,19.06 24.97,13.11 24.97,8.87 24.11,8.01 13.34,8.01 12.8,8.55 v1(12.8,9.1) ; R15.2 10.11,18.6 v1(11.19,18.6)
T_NRST: length 24.4
  TOP w0.165: v1(11.01,21.12) 23.39,21.12 24.37,20.14 25.94,20.14 27.25,21.45 28.05,21.45 29.34,22.74 v1(29.34,23.22) 29.34,23.41 29.25,23.5 29.25,24.55
  Bottom w0.165: v1(29.34,23.22) 29.36,23.22 28.94,22.8 U2.18 ; R17.2 v1(11.01,21.12)
T_SWDIO_IN: length 1.8
  Bottom w0.165: R16.1 34.24,20.15 34.15,20.06 U2.25
T_SWO: length 44.1
  TOP w0.165: v1(11.77,23.68) 10.32,23.68 9.9,24.1 9.9,24.95 10.25,25.3
  Bottom w0.165: U2.31 34.6,17.06 36.32,18.77 36.56,18.77 37.01,19.22 37.01,26.35 35.71,27.65 15.75,27.65 v1(11.77,23.68) 10.12,23.68 R20.2
U5V: length 4
  Bottom w0.165: D2.1 35.67,9.57 34.6,8.5 CN1.1
USB_DM: length 11.3
  Bottom w0.165: R12.2 34.27,11.86 34.7,12.29 36.18,12.29 37.26,13.37 37.26,16.07 36.77,16.56 U2.32
USB_DP: length 11.5
  Bottom w0.165: U2.33 34.13,16.06 34.31,16.24 36.53,16.24 36.94,15.83 36.94,13.53 36.01,12.6 33.99,12.6 33,11.61 R11.2
XL: length 27.5
  TOP w0.165: U9.4 45.72,49.58 45.6,49.7 45.6,57.8 46.4,58.6 v1(48.4,58.6)
  Bottom w0.165: U4.16 44.35,50.1 44.68,50.43 45.57,50.43 v1(45.6,50.4) ; v1(48.4,58.6) 48.37,58.63 48.37,59.27 48.2,59.44 48.2,68.14 48.64,68.57 CN5.2 ; 48.75,70.87 48.75,70.04
XR: length 29.2
  TOP w0.165: v1(47.01,57.3) 47.01,56.72 46.81,56.53 v1(46.81,50.4) 46.81,50 46.62,49.81 U9.2
  Bottom w0.165: v1(46.81,50.4) 46.81,51.12 46.4,51.53 44.33,51.53 42.85,50.05 U4.13 ; v1(47.01,57.3) 47.01,57.96 47.35,58.3 47.35,68.02 47.24,68.13 CN5.4 ; 47.35,70.87 47.35,70.04
YD: length 27.8
  TOP w0.165: v1(48.9,59.23) 48.89,59.24 46.4,59.24 45.28,58.12 45.28,51.5 44.9,51.13 v1(44.9,49.9) 45.27,49.53 U9.5
  Bottom w0.165: CN5.1 49.34,68.74 48.6,68 48.6,60 48.9,59.7 v1(48.9,59.23) ; U4.1 45.1,49.21 44.9,49.41 v1(44.9,49.9) ; 49.45,70.87 49.45,70.04
YU: length 27.7
  TOP w0.165: U9.3 v1(46.17,51) 46.17,57.68 46.48,57.98 v1(47.8,57.98)
  Bottom w0.165: 48.05,70.87 48.05,70.04 ; U4.15 43.85,49.52 44.03,49.71 44.03,50.43 44.6,51 v1(46.17,51) ; v1(47.8,57.98) 47.8,68.18 47.94,68.32 CN5.3

## Copper pours and planes (outline as drawn; the poured copper is in the pictures)
3V on TOP: 10,0 66,0 66,118.3 0,118.3 0,0
GND on TOP: 0,119.3 66,119.3 66,0 0,0
GND on Bottom: 0,119.3 66,119.3 66,0 0,0
GND on Bottom: 0,119.3 66,119.3 66,0 0,0
VDD on TOP: 18.19,35.3 18.19,23.3 11,23.3 11,39.5 20.4,39.5 20.4,47.4 19.2,47.4 19.2,55.8 7.6,55.8 7.6,62.7 13.93,62.7 13.93,67.1 20.5,67.1 20.5,71.6 14.1,71.6 14.1,81.7 21.6,81.7 21.6,84.4 49.2,84.4 49.2,75.01 46.56,75.01 46.56,72.92 44.5,72.92 44.5,68.5 50,68.5 50,51.55 39.5,51.55 39.5,35.3

## Text on the board
Bottom: INNER LAYER 2 | TOP LAYER
CARTOUCHE F1: DRILL DRAWING
Bot Paste: PASTE MASK TOP LAYER
Bot Silk: SILKSCREEN TOP LAYER | CN6 | SWD | GND | PG13 | PG14 | USB ST-LINK | ST-LINK | DISCOVERY | BOOT0 | PG5 | PG7 | PC6 | PC8 | PA8 | PA10 | PA12 | PA14 | PC10 | PC12 | PD1 | PD3 | PD5 | PD7 | PG9 | PG11 | PG15 | PB4 | PB6 | PB8 | PE0 | PE2 | PE4 | PE6 | PC14 | PF0 | PF2 | PF4 | 5V | RX | TX | COM | ldd | PWR | USER | USB USER | RESET | PA2 | PG2 | PD14 | PD12 | PD10 | PD8 | PB14 | PB12 | PB10 | PE14 | PE12 | PE10 | PE8 | PG1 | PF15 | PF13 | PF11 | PB2 | PB0 | PC4 | PA6 | PA4 | PA0 | PC2 | PC0 | NRST | PH0 | PF9 | NC | 3V | PF7 | STM32F429I-DISC1 | MB1075E | www.st.com/stm32f4-discovery | J
User.Drawings: 660 Total | 2 | 140 | 6 | 4 | 500 | 1.20mm | 1.00mm | 0.90mm | 0.85mm | 0.70mm | 0.65mm | 0.60mm | 0.30mm | = Routed Path Length + Tool Size = Slot length as defined in the PCB layout | = Calculated from tool start centre position to tool end centre position. | NPTH | PTH | TOP - Bottom | Slot definitions : | Hole Length | Routed Path Length | 3 | 1 | Layer | Bot Silk | Bottom Solder | Bottom | Dielectric3 | L3 | Dielectric2 | L2 | Dielectric 1 | TOP | Top Solder | Top Silk | Name | Solder Resist | Copper | FR-4 | Material | 0.010mm | 0.012mm | 0.127mm | 0.035mm | 1.200mm | Thickness | Cu base | Symbol | Hit Count | Finished Hole Size | Plated | Drill Layer Pair
TOP: BOTTOM LAYER | INNER LAYER 3
PERCAGES: 30/04/2013 | DATE: | STM32F429-discovery | S.M.E.E. | MB1075E
Top Paste: PASTE MASK BOTTOM LAYER
Top Silk: SILKSCREEN BOTTOM LAYER | P1 | JP3 | CN4 | P2 | JP4 | CN2 | JP1 | OC | JP2 | VBUS | RX | TX | GND | PG5 | PG7 | PC6 | PC8 | PA8 | PA10 | PA12 | PA14 | PC10 | PC12 | PD1 | PD3 | PD5 | PD7 | PG9 | PG15 | PB4 | PB6 | PB8 | PE0 | PE2 | PE4 | PE6 | PC14 | PF0 | PF2 | PF4 | 5V | PG13 | PG11 | BOOT0 | PE3 | PF3 | PF5 | PF1 | PE5 | PE1 | PC9 | PB3 | PB5 | PC7 | PB9 | PB7 | PA9 | PD2 | PD6 | PD0 | PD4 | PG8 | PG6 | PG4 | VDD | PC13 | PC15 | PC11 | PA13 | PA15 | PA11 | PG12 | PG10 | PG14 | ldd | PF8 | PF6 | PG3 | PD15 | PD13 | PD11 | PD9 | PB15 | PB13 | PB11 | PE15 | PE13 | PE11 | PE9 | PE7 | PG0 | PF14 | PF12 | PB1 | PC5 | PA7 | PA5 | PA3 | PA1 | PC3 | PC1 | 3V | PG2 | PD14 | PD12 | PD10 | PD8 | PB14 | PB12 | PB10 | PE14 | PE12 | PE10 | PE8 | PG1 | PF15 | PF13 | PF11 | PB2 | PB0 | PC4 | PA6 | PA4 | PA2 | PA0 | PC2 | PC0 | NRST | PH0 | PF9 | PF7 | NC | SWD | USB USER | RESERVED | DEFAULT | PH1 | PF10 | F | K | C | G | H | E | I
Top Assy: ASSEMBLY TOP LAYER
Top Mask: SOLDER MASK TOP LAYER
Z: MECHANICAL DRAWING | 1 | 7 | 2 | 8
Bot Assy: RoHS | SN | ASSEMBLY BOTTOM LAYER | P1 | P2
Bot Mask: SOLDER MASK BOTTOM LAYER
CARTOUCHE FX: 30/04/2013 | DATE: | MB1075E | STM32F429-discovery | S.M.E.E.
